# Altium PCB 小车PCB.PcbDoc (part 2 of 4)
Units mm, origin at the board's own origin, x right, y up, seen from the top; angles counter-clockwise.
Board outline 300.13 x 180.13 mm, 2 copper layers (Top Layer, Bottom Layer); 391 components, 380 nets, 1557 pads, 358 vias.
Unrouted connection lines stored in the file: 2.
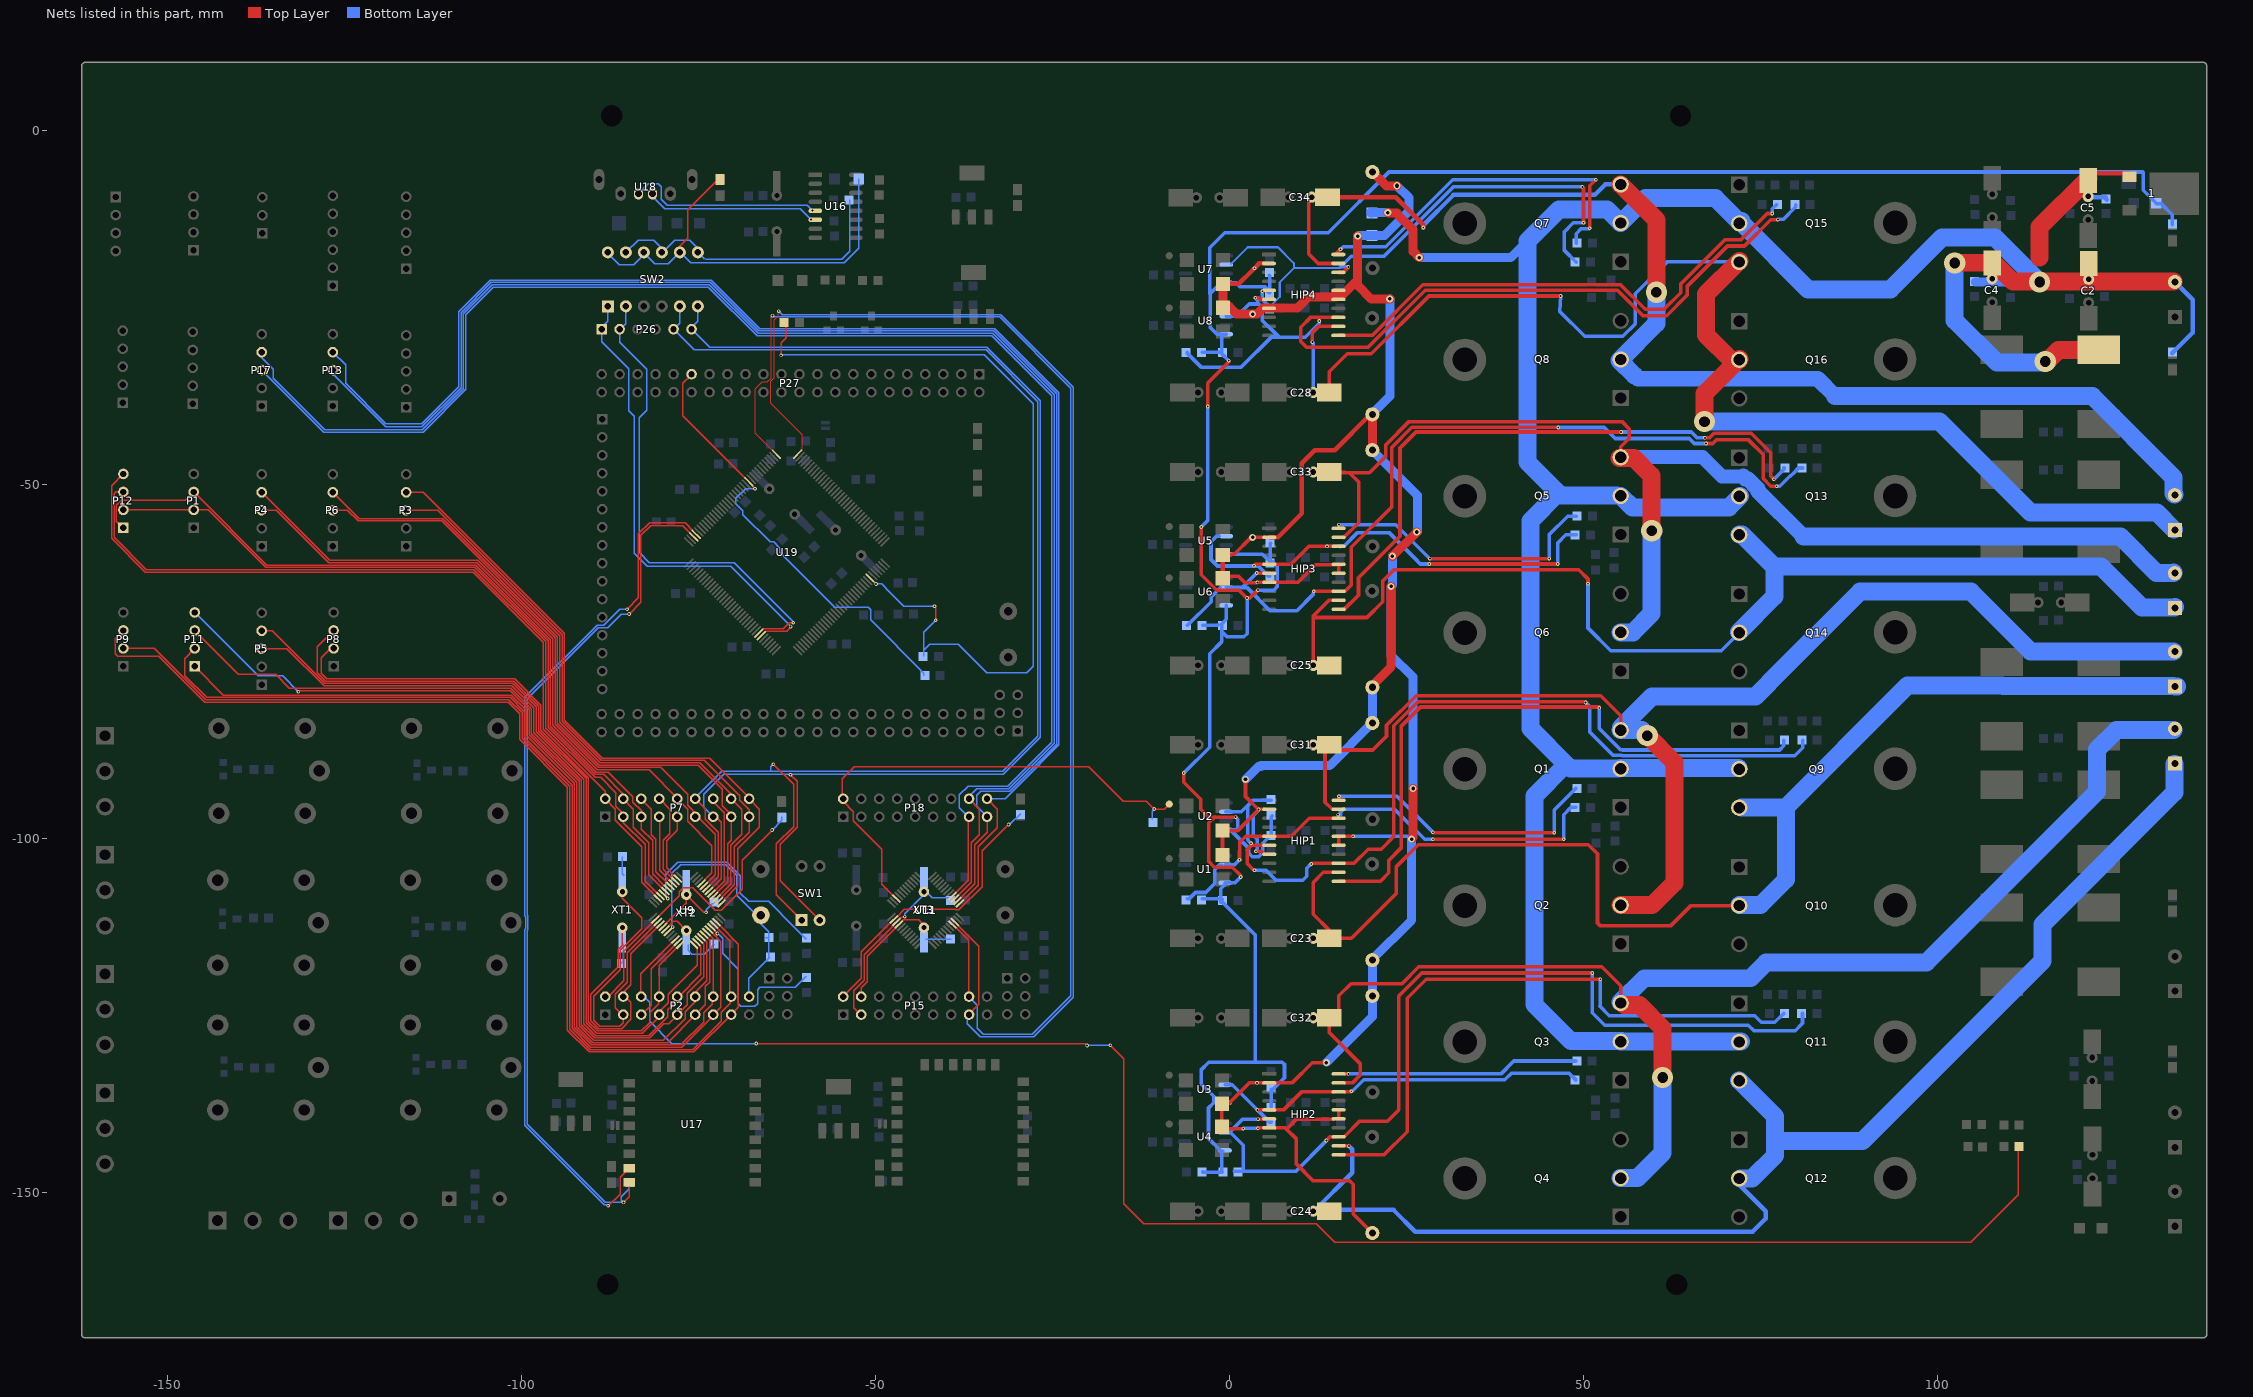
[diagram p2: the nets of this part, all layers, seen from the top]

## Via types
v1: diameter 0.508, hole 0.254, Top Layer to Bottom Layer, 302 vias
v2: diameter 1, hole 0.5, Top Layer to Bottom Layer, 18 vias
v3: diameter 3, hole 1.5, Top Layer to Bottom Layer, 14 vias
v4: diameter 7, hole 5, Top Layer to Bottom Layer, 8 vias
v5: diameter 1.27, hole 0.889, Top Layer to Bottom Layer, 6 vias
v6: diameter 0.635, hole 0.381, Top Layer to Bottom Layer, 5 vias
v7: diameter 0.762, hole 0.508, Top Layer to Bottom Layer, 2 vias
v8: diameter 1.27, hole 0.762, Top Layer to Bottom Layer, 2 vias
v9: diameter 1, hole 0.6, Top Layer to Bottom Layer, 1 vias

## Nets (pads, with @x,y where several pads share a name; then routed paths per layer and width w, separated by ;. In a path a pad name is that pad's centre, name@x,y a point inside that pad or via, vN(x,y) a via of type N, cw(c..) or ccw(c..) an arc to the next point about the centre after c; other vN are vias at no path point) (continued)
1PB9: P18.2 R5.1 T5.1 U11.46 | length 70.8
  Top Layer w0.203: P18.2@-54.686,-94.132 -54.686,-91.542 -52.959,-89.814 -19.837,-89.814 -14.961,-94.691 -11.709,-94.691 v1(-10.592,-95.809) -9.169,-95.809 T5.1@-8.484,-95.123 ; P18.2@-54.559,-94.336 P18.2@-54.534,-94.361 -54.534,-94.742 -53.111,-96.164 -53.111,-97.46 -49.073,-101.498 -49.073,-106.401 U11.46@-47.234,-108.24
  Bottom Layer w0.203: R5.1@-10.897,-97.282 -10.897,-96.114 v1(-10.592,-95.809)
1PB10: P15.16 U11.21 U19.37 | length 185.7
  Top Layer w0.127: v1(-64.516,-26.137) -64.719,-26.34 -64.719,-34.95 -65.253,-35.484 -65.938,-35.484 -66.929,-36.474 -66.929,-42.741 U19.37@-63.952,-45.718
  Top Layer w0.203: U19.37@-63.952,-45.718 U19.37@-63.952,-45.7 ; U11.21@-38.811,-112.395 -38.764,-112.395 -36.805,-114.354 P15.16@-36.805,-122.276
  Bottom Layer w0.203: v1(-64.516,-26.137) -64.338,-26.314 -32.446,-26.314 -22.403,-36.357 -22.403,-122.199 -27.838,-127.635 -34.773,-127.635 -35.611,-126.797 -35.611,-123.495 P15.16@-36.627,-122.479
1PB11: P15.15 U11.22 U19.36 | length 187.7
  Top Layer w0.127: v1(-63.627,-25.502) -63.729,-25.603 -63.729,-26.187 -64.237,-26.695 -64.237,-34.925 -64.745,-35.433 -64.745,-38.532 -60.325,-42.951 -60.325,-45.067 -60.47,-45.212 U19.36@-60.477,-45.212
  Top Layer w0.203: U11.22@-38.329,-112.217 -35.357,-115.189 -35.357,-123.368 P15.15@-36.805,-124.816
  Bottom Layer w0.203: v1(-63.627,-25.502) -63.144,-25.984 -32.309,-25.984 -22.073,-36.22 -22.073,-122.389 -27.649,-127.965 -35.204,-127.965 -37.008,-126.162 P15.15@-37.008,-125.07
1PB12: P13.4 P18.18 U11.25 | length 210.1
  Top Layer w0.203: U11.25@-38.052,-109.159 -35.484,-106.591 -35.484,-101.143 -32.766,-98.425 -32.766,-95.834 P18.18@-34.214,-94.386
  Bottom Layer w0.203: P13.4@-126.6,-31.293 -124.79,-33.102 -124.79,-35.703 -119.098,-41.395 -114.053,-41.395 -108.814,-36.156 -108.814,-25.58 -104.341,-21.107 -73.14,-21.107 -66.282,-27.965 -33.129,-27.965 -24.054,-37.041 -24.054,-86.766 -29.366,-92.079 -29.366,-92.089 -31.613,-94.336 P18.18@-34.315,-94.336
1PB13: P13.3 P18.17 U11.26 | length 207.9
  Top Layer w0.203: U11.26@-38.406,-108.806 -35.966,-106.366 -35.966,-100.838 -34.214,-99.085 P18.17@-34.214,-96.926
  Bottom Layer w0.203: P13.3@-126.594,-33.82 -126.594,-34.366 -119.128,-41.832 -114.023,-41.832 -108.483,-36.293 -108.483,-25.717 -104.204,-21.438 -73.277,-21.438 -66.419,-28.296 -33.266,-28.296 -24.384,-37.178 -24.384,-86.63 -29.697,-91.942 -29.697,-91.952 -31.013,-93.269 -35.077,-93.269 -35.687,-93.878 -35.687,-95.402 P18.17@-34.29,-96.799
1PB14: P17.4 P18.16 U11.27 | length 219.5
  Top Layer w0.203: U11.27@-38.759,-108.452 -36.449,-106.142 -36.449,-100.559 -35.306,-99.416 -35.306,-95.834 P18.16@-36.754,-94.386
  Bottom Layer w0.203: P17.4@-136.656,-31.293 -136.656,-32.05 -135.026,-33.68 -135.026,-34.977 -127.763,-42.24 -113.964,-42.24 -108.153,-36.429 -108.153,-25.853 -104.068,-21.768 -73.414,-21.768 -66.556,-28.626 -33.403,-28.626 -24.714,-37.315 -24.714,-86.493 -30.027,-91.805 -30.027,-91.815 -31.125,-92.913 -35.662,-92.913 P18.16@-36.982,-94.234
1PB15: P17.3 P18.15 U11.28 | length 217.1
  Top Layer w0.203: U11.28@-39.113,-108.098 -36.855,-105.841 -36.855,-97.003 P18.15@-36.754,-96.901
  Bottom Layer w0.203: P17.3@-136.65,-33.82 -127.9,-42.57 -113.827,-42.57 -107.823,-36.566 -107.823,-25.99 -103.931,-22.098 -73.551,-22.098 -66.693,-28.956 -33.54,-28.956 -25.044,-37.451 -25.044,-86.356 -30.357,-91.669 -30.357,-91.678 -31.262,-92.583 -36.881,-92.583 -38.125,-93.828 -38.125,-95.656 P18.15@-36.881,-96.901
1PC13: P15.2 R86.2 U11.2 | length 40
  Top Layer w0.203: P15.2@-54.534,-122.301 -54.534,-122.276 -51.994,-119.736 -51.994,-115.976 U11.2@-47.777,-111.76 ; U11.2@-46.99,-111.074 -45.898,-109.982 -38.684,-109.982 -38.606,-110.06 -38.178,-110.06 -34.9,-106.782 -34.9,-101.727 v1(-31.166,-97.993)
  Bottom Layer w0.203: v1(-31.166,-97.993) -31.013,-97.993 R86.2@-29.464,-96.444
1PC14: C51.2 P15.3 U11.3 XT3.1 | length 25.1
  Top Layer w0.203: P15.3@-52.019,-124.917 -53.035,-123.901 -53.035,-121.463 -51.587,-120.015 -51.587,-116.383 U11.3@-47.422,-112.217 ; U11.3@-47.031,-111.775 U11.3@-47.032,-111.775 -46.356,-111.1 -45.949,-111.1 v1(-45.847,-110.998)
  Bottom Layer w0.203: v1@-45.847,-111.049 v1(-45.847,-110.998) -45.847,-110.617 XT3.1@-42.977,-107.747 ; XT3.1@-42.748,-107.569 -41.986,-108.331 -41.013,-108.331 -41.004,-108.339 ; -40.996,-108.331 -41.004,-108.339 ; C51.2@-39.395,-108.339 -41.004,-108.339
1PC15: C52.2 P15.4 U11.4 XT3.2 | length 20.1
  Top Layer w0.203: P15.4@-51.994,-122.301 -51.994,-121.031 -51.156,-120.193 -51.156,-116.637 U11.4@-47.092,-112.573 ; U11.4@-46.679,-112.129 -46.673,-112.129 -46.025,-111.481 -43.866,-111.481 -42.951,-112.395 XT3.2@-42.951,-112.751
  Bottom Layer w0.203: XT3.2@-42.901,-114.198 -39.294,-114.198 C52.2@-39.268,-114.224
1W2PA9: P7.13 P26.6 SW1.2 SW2.6 U9.30 | length 194.3
  Top Layer w0.203: U9.30@-73.101,-107.01 -73.076,-107.01 -71.755,-105.689 -71.755,-97.714 P7.13@-72.466,-97.003 ; P7.13@-72.949,-97.003 P7.13@-72.822,-97.003 ; v1(-61.976,-90.983) -61.036,-91.923 -61.036,-98.374 -63.424,-100.762 -63.424,-105.943 SW1.2@-57.861,-111.506
  Bottom Layer w0.203: P26.6@-76.048,-27.94 -75.057,-26.949 SW2.6@-75.057,-24.816 ; P26.6@-75.946,-28.042 -73.381,-30.607 -34.224,-30.607 -26.695,-38.135 -26.695,-85.672 -31.93,-90.907 -61.976,-90.907 v1@-61.976,-90.881 ; P7.13@-72.898,-96.901 -74.219,-95.58 -74.219,-93.751 -71.399,-90.932 -61.976,-90.932 v1(-61.976,-90.983)
1W2PA10: P7.12 P26.5 SW1.1 SW2.5 U9.31 | length 199.4
  Top Layer w0.203: P7.12@-75.463,-94.31 -74.016,-95.758 -74.016,-97.282 -72.187,-99.111 -72.187,-105.391 -73.05,-106.254 U9.31@-73.307,-106.511 ; v1(-64.389,-89.484) -61.544,-92.329 -61.544,-98.323 -63.957,-100.736 -63.957,-107.95 SW1.1@-60.401,-111.506
  Bottom Layer w0.203: P26.5@-78.486,-28.042 P26.5@-78.473,-28.054 ; SW2.5@-77.597,-24.816 -77.597,-27.178 P26.5@-78.473,-28.054 ; P7.12@-75.489,-94.005 -75.209,-94.005 -71.679,-90.475 -64.77,-90.475 -64.77,-89.865 v1(-64.389,-89.484) ; -64.77,-90.5 -31.99,-90.5 -27.026,-85.535 -27.026,-38.272 -34.36,-30.937 -66.151,-30.937 -66.177,-30.963 -75.565,-30.963 P26.5@-78.473,-28.054
1WPA9: P26.2 SW2.2 U19.101 | length 67.8
  Top Layer w0.203: U19.101@-65.862,-70.358 -63.017,-70.358 -62.154,-69.494 v1(-61.57,-69.494)
  Bottom Layer w0.203: P26.2@-86.106,-28.042 -86.106,-29.896 -82.296,-33.706 -82.296,-39.522 -83.363,-40.589 -83.363,-59.563 -81.89,-61.036 -69.926,-61.036 -61.608,-69.355 -61.608,-69.456 v1(-61.57,-69.494) ; P26.2@-86.03,-28.092 -85.217,-27.28 SW2.2@-85.217,-24.816
1WPA10: P26.1 SW2.1 U19.102 | length 67.5
  Top Layer w0.203: U19.102@-65.583,-70.866 -65.405,-70.688 -62.484,-70.688 -61.951,-70.155 v1(-61.951,-70.053)
  Bottom Layer w0.203: P26.1@-88.722,-27.889 -87.757,-26.924 SW2.1@-87.757,-24.816 ; P26.1@-88.646,-28.042 -88.646,-29.794 -84.811,-33.63 -84.811,-39.548 -84.023,-40.335 -84.023,-59.69 -82.169,-61.544 -70.409,-61.544 -61.951,-70.002 v1(-61.951,-70.053)
1WRXD: R100.1 SW2.7 SW2.9 SW2.11 | length 43.2
  Bottom Layer w0.203: SW2.11@-85.141,-17.145 -83.49,-15.494 -81.28,-15.494 -80.137,-16.637 SW2.9@-80.137,-17.196 ; SW2.9@-80.162,-17.297 -78.334,-15.469 -76.175,-15.469 -75.057,-16.586 SW2.7@-75.057,-17.196 ; SW2.7@-75.006,-17.247 -74.117,-18.136 ; -74.066,-18.085 -73.965,-18.186 -54.762,-18.186 -53.594,-17.018 R100.1@-53.594,-9.779
1WTXD: D26.1 LED9.2 SW2.8 SW2.10 SW2.12 | length 62
  Top Layer w0.203: SW2.8@-77.597,-17.196 -77.597,-16.332 -76.479,-15.215 -76.479,-11.151 LED9.2@-71.984,-6.655
  Bottom Layer w0.203: SW2.12@-87.706,-17.424 -86.157,-18.974 -84.125,-18.974 -82.677,-17.526 SW2.10@-82.677,-17.196 ; SW2.10@-82.525,-17.424 -81.128,-18.821 -79.223,-18.821 SW2.8@-77.597,-17.196 ; SW2.8@-77.445,-17.247 -76.022,-18.669 -54.381,-18.669 -52.324,-16.612 D26.1@-52.324,-6.833
2BOOT0: R82.2 U9.44 | length 30.5
  Top Layer w0.203: U9.44@-79.578,-108.077 -79.306,-108.349 v1(-79.306,-108.444)
  Bottom Layer w0.203: v1(-79.306,-108.444) -79.572,-108.179 -79.578,-108.179 -79.578,-105.029 -77.876,-103.327 -70.942,-103.327 -69.063,-105.207 -69.063,-107.671 -67.869,-108.864 -65.024,-108.864 -61.48,-112.409 -61.48,-112.451 -59.757,-114.173 R82.2@-59.715,-114.173
2BOOT1: R83.1 U9.20 | length 24.5
  Top Layer w0.203: U9.20@-72.72,-112.954 v1(-72.288,-113.386)
  Bottom Layer w0.203: v1(-72.288,-113.386) -72.238,-113.335 -71.539,-114.033 -71.539,-116.192 -69.317,-118.415 -69.317,-123.317 -68.961,-123.673 -67.005,-123.673 -66.624,-123.292 -66.624,-121.336 -66.294,-121.006 -61.265,-121.006 R83.1@-59.715,-119.456
2NRST: C45.1 key1.1 P2.18 R78.1 U9.7 | length 40.4
  Top Layer w0.203: U9.7@-79.299,-113.19 -79.281,-113.19 v1@-78.588,-112.497
  Bottom Layer w0.203: v1(-78.599,-112.49) -78.74,-112.631 -78.74,-104.902 -77.495,-103.657 -71.095,-103.657 -69.571,-105.181 -69.571,-107.975 -66.752,-110.794 key1.1@-66.142,-110.794 -66.142,-112.014 -65.024,-113.132 C45.1@-65.024,-113.944 ; P2.18@-67.843,-122.149 -67.843,-119.685 R78.1@-65.011,-116.853 ; C45.1@-65.634,-113.97 C45.1@-65.024,-113.97 -65.024,-116.84 R78.1@-65.011,-116.853 ; R78.1@-64.897,-116.738 R78.1@-65.011,-116.853
2OSCIN: C41.2 U9.5 XT2.2 | length 11.2
  Top Layer w0.203: U9.5@-79.654,-112.065 -76.683,-109.093 XT2.2@-76.683,-107.899 -74.193,-110.388 v1(-73.889,-110.388)
  Bottom Layer w0.203: v1(-73.889,-110.388) -73.889,-110.033 C41.2@-72.771,-108.915
2OSCOUT: C42.2 U9.6 XT2.1 | length 8.6
  Top Layer w0.203: U9.6@-79.197,-112.344 -78.537,-111.684 -77.978,-111.684 XT2.1@-76.683,-112.979
  Bottom Layer w0.203: XT2.1@-76.429,-114.96 -76.429,-115.773 -75.895,-116.307 -74.168,-116.307 C42.2@-72.746,-114.884
2PA0: P2.6 R77.2 U9.10 | length 241.4
  Top Layer w0.203: P2.6@-83.083,-122.403 -83.083,-119.05 U9.10@-78.638,-114.605 ; v1(-66.802,-128.93) -20.371,-128.93 v1(-20.091,-129.21) ; v1(-16.789,-129.159) -14.884,-131.064 -14.884,-151.587 -12.09,-154.381 12.294,-154.381 14.91,-156.997 104.699,-156.997 111.404,-150.292 R77.2@111.404,-143.459
  Bottom Layer w0.203: P2.6@-82.728,-122.225 -81.839,-123.114 -81.839,-125.806 -78.715,-128.93 v1(-66.802,-128.93) ; v1(-20.091,-129.21) -20.041,-129.159 v1(-16.789,-129.159)
2PA1: P2.5 U9.11 | length 12
  Top Layer w0.203: P2.5@-83.083,-124.943 -81.636,-123.495 -81.636,-118.364 U9.11@-78.257,-114.986
2PA2: P2.8 P8.2 U9.12 | length 106.8
  Top Layer w0.203: P8.2@-126.494,-73.132 -126.904,-73.132 -128.219,-74.447 -128.219,-76.638 -127.438,-77.419 -100.914,-77.419 -97.206,-81.128 -97.206,-84.654 -90.5,-91.36 -90.5,-125.841 -89.189,-127.152 -83.033,-127.152 -81.864,-125.984 -81.864,-124.562 -80.594,-123.292 P2.8@-80.594,-122.149 ; P2.8@-80.518,-122.326 P2.8@-80.518,-122.301 -80.518,-117.907 U9.12@-78.003,-115.392
2PA3: P2.7 P8.3 U9.13 | length 111.2
  Top Layer w0.203: P8.3@-126.494,-70.592 -128.778,-72.877 -128.778,-76.546 -127.574,-77.749 -101.051,-77.749 -97.536,-81.264 -97.536,-84.795 -90.83,-91.501 -90.83,-125.978 -89.326,-127.483 -82.88,-127.483 P2.7@-80.467,-125.07 ; P2.7@-80.518,-124.866 P2.7@-80.518,-124.841 -80.518,-124.435 -79.248,-123.165 -79.248,-121.996 -75.108,-117.856 U9.13@-75.108,-115.443
2PA4: P2.10 P5.4 U9.14 | length 116.6
  Top Layer w0.203: P5.4@-136.656,-70.65 -135.141,-70.65 -127.711,-78.08 -101.188,-78.08 -97.889,-81.379 -97.889,-84.909 -91.161,-91.637 -91.161,-126.115 -89.463,-127.813 -81.991,-127.813 -79.299,-125.12 -79.299,-124.13 -77.876,-122.707 -77.876,-122.301 -77.775,-122.301 -74.651,-119.177 -74.651,-115.24 U9.14@-74.854,-115.037
2PA5: P2.9 P5.3 U9.15 | length 116.9
  Top Layer w0.203: P5.3@-136.65,-73.177 -133.08,-73.177 -127.848,-78.41 -101.325,-78.41 -98.219,-81.515 -98.219,-85.046 -91.491,-91.774 -91.491,-126.252 -89.599,-128.143 -81.854,-128.143 -79.873,-126.162 -79.146,-126.162 P2.9@-77.978,-124.993 ; P2.9@-77.978,-124.917 -76.53,-123.469 -76.53,-121.818 -74.219,-119.507 -74.219,-114.884 U9.15@-74.447,-114.656
2PA6: P2.12 P11.3 U9.16 | length 129.5
  Top Layer w0.203: P11.3@-146.126,-70.637 P11.3@-146.101,-70.663 ; P11.3@-146.101,-70.592 P11.3@-146.101,-70.663 ; P2.12@-75.438,-122.377 -75.438,-123.063 -76.835,-124.46 -76.835,-125.4 -79.908,-128.473 -89.736,-128.473 -91.821,-126.388 -91.821,-91.911 -98.549,-85.183 -98.549,-81.652 -101.461,-78.74 -132.74,-78.74 -134.696,-76.784 -139.979,-76.784 P11.3@-146.101,-70.663 ; P2.12@-75.438,-122.301 -75.438,-121.691 -73.787,-120.04 -73.787,-114.63 U9.16@-74.27,-114.148
2PA7: P2.11 P11.4 U9.17 | length 131.7
  Top Layer w0.203: v1(-131.47,-79.248) -131.343,-79.121 -101.547,-79.121 -98.879,-81.789 -98.879,-85.32 -92.151,-92.048 -92.151,-126.525 -89.873,-128.803 -79.324,-128.803 P2.11@-75.489,-124.968 ; P2.11@-75.438,-124.892 -73.99,-123.444 -73.99,-120.853 -73.381,-120.244 -73.381,-114.351 U9.17@-73.812,-113.919
  Bottom Layer w0.203: P11.4@-146.101,-68.052 -137.14,-77.013 -133.68,-77.013 v1@-131.47,-79.223
2PA8: P7.14 U9.29 | length 14.7
  Top Layer w0.203: U9.29@-73,-107.544 -72.875,-107.544 -71.323,-105.992 -71.323,-97.32 -71.337,-97.306 -71.337,-96.496 -71.323,-96.482 -71.323,-96.368 -72.974,-94.717 P7.14@-72.974,-94.31
2PA11: P4.4 P7.11 U9.32 | length 100.4
  Top Layer w0.203: P4.4@-136.656,-51.092 -127.042,-60.706 -106.123,-60.706 -95.225,-71.605 -95.225,-83.834 -89.117,-89.941 -80.264,-89.941 -76.505,-93.701 -76.505,-95.301 P7.11@-75.057,-96.749 ; P7.11@-75.438,-96.901 -75.082,-96.901 -72.619,-99.365 -72.619,-105.067 U9.32@-74.207,-106.684
2PA12: P4.3 P7.10 U9.33 | length 96.6
  Top Layer w0.203: P4.3@-136.65,-53.619 -134.596,-53.619 -127.179,-61.036 -106.26,-61.036 -95.555,-71.741 -95.555,-83.97 -89.254,-90.272 -81.94,-90.272 P7.10@-77.953,-94.259 ; P7.10@-77.953,-94.361 -76.505,-95.809 -76.505,-97.536 -73.076,-100.965 -73.076,-104.8 U9.33@-74.092,-105.816
2PA15: P7.9 U9.38 | length 9.4
  Top Layer w0.203: U9.38@-78.384,-105.232 -79.477,-104.14 -79.477,-100.279 -77.978,-98.781 P7.9@-77.978,-96.901
2PB0: P2.14 P11.1 U9.18 | length 130.8
  Top Layer w0.203: P11.1@-146.101,-75.672 -142.043,-79.731 -101.422,-79.731 -99.209,-81.943 -99.209,-85.456 -92.481,-92.184 -92.481,-126.662 -90.01,-129.134 -77.47,-129.134 -74.244,-125.908 -74.244,-124.612 -73,-123.368 -73,-122.453 P2.14@-72.974,-122.428 ; U9.18@-73.609,-113.436 -72.898,-114.148 P2.14@-72.898,-122.301
2PB1: P2.13 P11.2 U9.19 | length 137.6
  Top Layer w0.203: P11.2@-146.101,-73.132 -147.523,-74.555 -147.523,-76.962 -144.424,-80.061 -101.559,-80.061 -99.54,-82.08 -99.54,-85.703 -92.812,-92.431 -92.812,-126.799 -90.147,-129.464 -77.333,-129.464 -73.05,-125.181 P2.13@-73.05,-124.79 ; U9.19@-73.05,-113.309 -71.806,-114.554 -71.806,-123.774 P2.13@-72.898,-124.866
2PB3: P7.8 U9.39 | length 12.8
  Top Layer w0.203: P7.8@-80.467,-94.361 -79.019,-95.809 -79.019,-99.314 -79.959,-100.254 -79.959,-104.343 U9.39@-78.689,-105.613
2PB4: P7.7 U9.40 | length 9.6
  Top Layer w0.203: P7.7@-80.467,-96.901 -80.467,-104.445 U9.40@-78.994,-105.918
2PB5: P7.6 U9.41 | length 13.4
  Top Layer w0.203: P7.6@-83.058,-94.412 -81.61,-95.86 -81.61,-99.441 -80.975,-100.076 -80.975,-104.673 U9.41@-79.4,-106.248
2PB6: P1.3 P7.5 P12.1 U9.42 | length 116.6
  Top Layer w0.203: P12.1@-156.177,-56.114 -156.204,-56.114 -157.155,-55.163 -157.155,-52.939 -156.388,-52.172 -147.447,-52.172 -146.38,-51.105 P1.3@-146.329,-51.105 ; P1.3@-146.279,-51.034 P1.3@-146.255,-51.034 -146.238,-51.034 -135.906,-61.366 -106.397,-61.366 -95.885,-71.878 -95.885,-84.107 -89.39,-90.602 -87.706,-90.602 -84.226,-94.082 -84.226,-94.869 -83.007,-96.088 P7.5@-83.007,-96.876 ; P7.5@-83.058,-96.952 -83.058,-98.654 -81.458,-100.254 -81.458,-104.953 U9.42@-79.781,-106.629
2PB7: P1.2 P7.4 P12.2 U9.43 | length 110
  Top Layer w0.203: P12.2@-156.177,-53.574 -146.792,-53.574 P1.2@-146.533,-53.315 ; P1.2@-146.279,-53.574 -146.222,-53.518 -144.221,-53.518 -136.042,-61.697 -106.533,-61.697 -96.215,-72.015 -96.215,-84.244 -89.527,-90.932 -88.341,-90.932 -85.573,-93.701 P7.4@-85.573,-94.361 ; P7.4@-85.585,-94.374 -84.15,-95.809 -84.15,-98.4 -81.966,-100.584 -81.966,-105.08 U9.43@-80.137,-106.909
  Bottom Layer w0.203: P1.2@-146.279,-53.574 -146.259,-53.574 P1.2@-146.101,-53.416
2PB8: P7.3 P12.3 U9.45 | length 117.2
  Top Layer w0.203: P12.3@-156.177,-51.034 -157.232,-51.034 -157.486,-51.288 -157.486,-57.465 -152.924,-62.027 -106.67,-62.027 -96.545,-72.152 -96.545,-84.381 -89.578,-91.348 -88.789,-91.348 -86.639,-93.497 -86.639,-95.418 -86.36,-95.697 -86.36,-95.707 P7.3@-85.471,-96.596 ; P7.3@-85.573,-96.799 -85.573,-97.739 -82.499,-100.813 -82.499,-105.994 U9.45@-80.62,-107.874
2PB9: P7.2 P12.4 U9.46 | length 119.1
  Top Layer w0.203: P12.4@-156.177,-48.494 -157.816,-50.133 -157.816,-57.602 -153.06,-62.357 -106.807,-62.357 -96.876,-72.288 -96.876,-84.518 -88.113,-93.281 P7.2@-88.113,-94.386 ; P7.2@-88.138,-94.386 -86.69,-95.834 -86.69,-97.409 -82.982,-101.117 -82.982,-106.147 -81.128,-108.001 U9.46@-81.051,-108.001
2PB10: P2.16 P9.2 U9.21 | length 146.3
  Top Layer w0.203: P9.2@-156.177,-73.132 -151.82,-73.132 -144.561,-80.391 -101.727,-80.391 -99.87,-82.248 -99.87,-85.839 -93.142,-92.567 -93.142,-126.936 -90.283,-129.794 -75.768,-129.794 -71.78,-125.806 -71.78,-124.536 -70.485,-123.241 P2.16@-70.485,-122.403 ; U9.21@-72.39,-112.547 -70.536,-114.402 -70.536,-122.174 P2.16@-70.396,-122.314
2PB11: P2.15 P9.3 U9.22 | length 152.6
  Top Layer w0.203: P9.3@-156.177,-70.592 -157.328,-71.743 -157.328,-73.889 -156.947,-74.27 -151.155,-74.27 -144.704,-80.721 -101.864,-80.721 -100.2,-82.385 -100.2,-85.976 -93.472,-92.704 -93.472,-127.072 -90.42,-130.124 -75.631,-130.124 -70.282,-124.775 -70.282,-124.765 -69.317,-123.8 -69.317,-114.884 U9.22@-71.958,-112.243
2PB12: P3.4 P7.18 U9.25 | length 90.2
  Top Layer w0.203: P3.4@-116.256,-51.092 -113.805,-51.092 -93.904,-70.993 -93.904,-83.287 -88.57,-88.621 -73.381,-88.621 -68.072,-93.929 P7.18@-67.996,-93.929 ; U9.25@-71.428,-108.683 -69.418,-106.673 -69.418,-101.448 -66.37,-98.4 -66.37,-95.809 P7.18@-67.818,-94.361
2PB13: P3.3 P7.17 U9.26 | length 87.2
  Top Layer w0.203: P3.3@-116.25,-53.619 -111.785,-53.619 -94.234,-71.171 -94.234,-83.423 -88.707,-88.951 -74.168,-88.951 -69.164,-93.955 -69.164,-94.564 -67.818,-95.91 P7.17@-67.818,-96.698 ; U9.26@-71.653,-108.28 -69.901,-106.528 -69.901,-101.143 -67.818,-99.06 P7.17@-67.818,-96.901
2PB14: P6.4 P7.16 U9.27 | length 97.1
  Top Layer w0.203: P6.4@-126.6,-51.092 -122.904,-54.788 -111.084,-54.788 -94.564,-71.308 -94.564,-83.56 -88.843,-89.281 -74.787,-89.281 -70.485,-93.583 P7.16@-70.485,-94.336 ; U9.27@-71.958,-107.975 -70.383,-106.401 -70.383,-100.914 -68.859,-99.39 -68.859,-95.834 P7.16@-70.307,-94.386
2PB15: P6.3 P7.15 U9.28 | length 94.1
  Top Layer w0.203: P6.3@-126.594,-53.619 -124.539,-53.619 -123.041,-55.118 -111.244,-55.118 -94.894,-71.468 -94.894,-83.697 -88.98,-89.611 -75.032,-89.611 -71.628,-93.015 -71.628,-95.326 P7.15@-70.358,-96.596 ; U9.28@-72.39,-107.645 -70.841,-106.096 -70.841,-100.736 -70.307,-100.203 P7.15@-70.307,-96.926
2PC13: P2.2 R76.2 U9.2 | length 42.2
  Top Layer w0.203: P2.2@-88.138,-122.301 -87.732,-122.301 -85.496,-120.066 -85.496,-115.875 U9.2@-81.509,-111.887 ; U9.2@-80.543,-110.871 U9.2@-80.493,-110.871 ; -80.493,-110.846 -80.442,-110.846 -77.661,-108.065 -77.661,-107.494 -77.088,-106.921 -75.807,-106.921 -72.619,-110.109 -71.78,-110.109 -68.809,-107.137 -68.809,-103.022 v1(-64.567,-98.781)
  Bottom Layer w0.203: v1(-64.567,-98.781) -63.195,-97.409 R76.2@-63.195,-97.028 R76.2@-63.195,-96.901
2PC14: C39.2 P2.3 U9.3 XT1.1 | length 46.2
  Top Layer w0.203: XT1.1@-85.725,-107.493 -85.725,-108.407 -82.956,-111.176 -82.956,-112.751 -85.979,-115.773 -85.979,-118.491 -89.738,-122.25 -89.738,-125.654 -88.9,-126.492 -86.106,-126.492 -85.573,-125.959 P2.3@-85.573,-125.019 ; P2.3@-85.674,-124.917 -86.741,-123.85 -86.741,-121.996 -85.014,-120.269 -85.014,-116.078 U9.3@-81.026,-112.09
  Bottom Layer w0.203: C39.2@-85.725,-102.54 -85.725,-104.953 XT1.1@-85.471,-105.207
2PC15: C40.2 P2.4 U9.4 XT1.2 | length 40
  Top Layer w0.203: XT1.2@-85.725,-112.573 -85.725,-115.052 -86.309,-115.636 -86.309,-118.11 -90.17,-121.971 -90.17,-125.705 -89.052,-126.822 -85.827,-126.822 -84.531,-125.527 -84.531,-123.088 P2.4@-85.293,-122.326 ; P2.4@-85.598,-122.352 P2.4@-85.598,-122.301 -85.598,-121.717 -84.531,-120.65 -84.531,-116.256 U9.4@-80.62,-112.344